# Altium PCB PCB2.PcbDoc (part 3 of 3)
Units mm, origin at the board's own origin, x right, y up, seen from the top; angles counter-clockwise.
Board outline 800 x 450.44 mm, 3 copper layers (Top Layer, Y1, Bottom Layer), stack 0.488 mm thick; 810 components, 801 nets, 2040 pads, 600 vias.
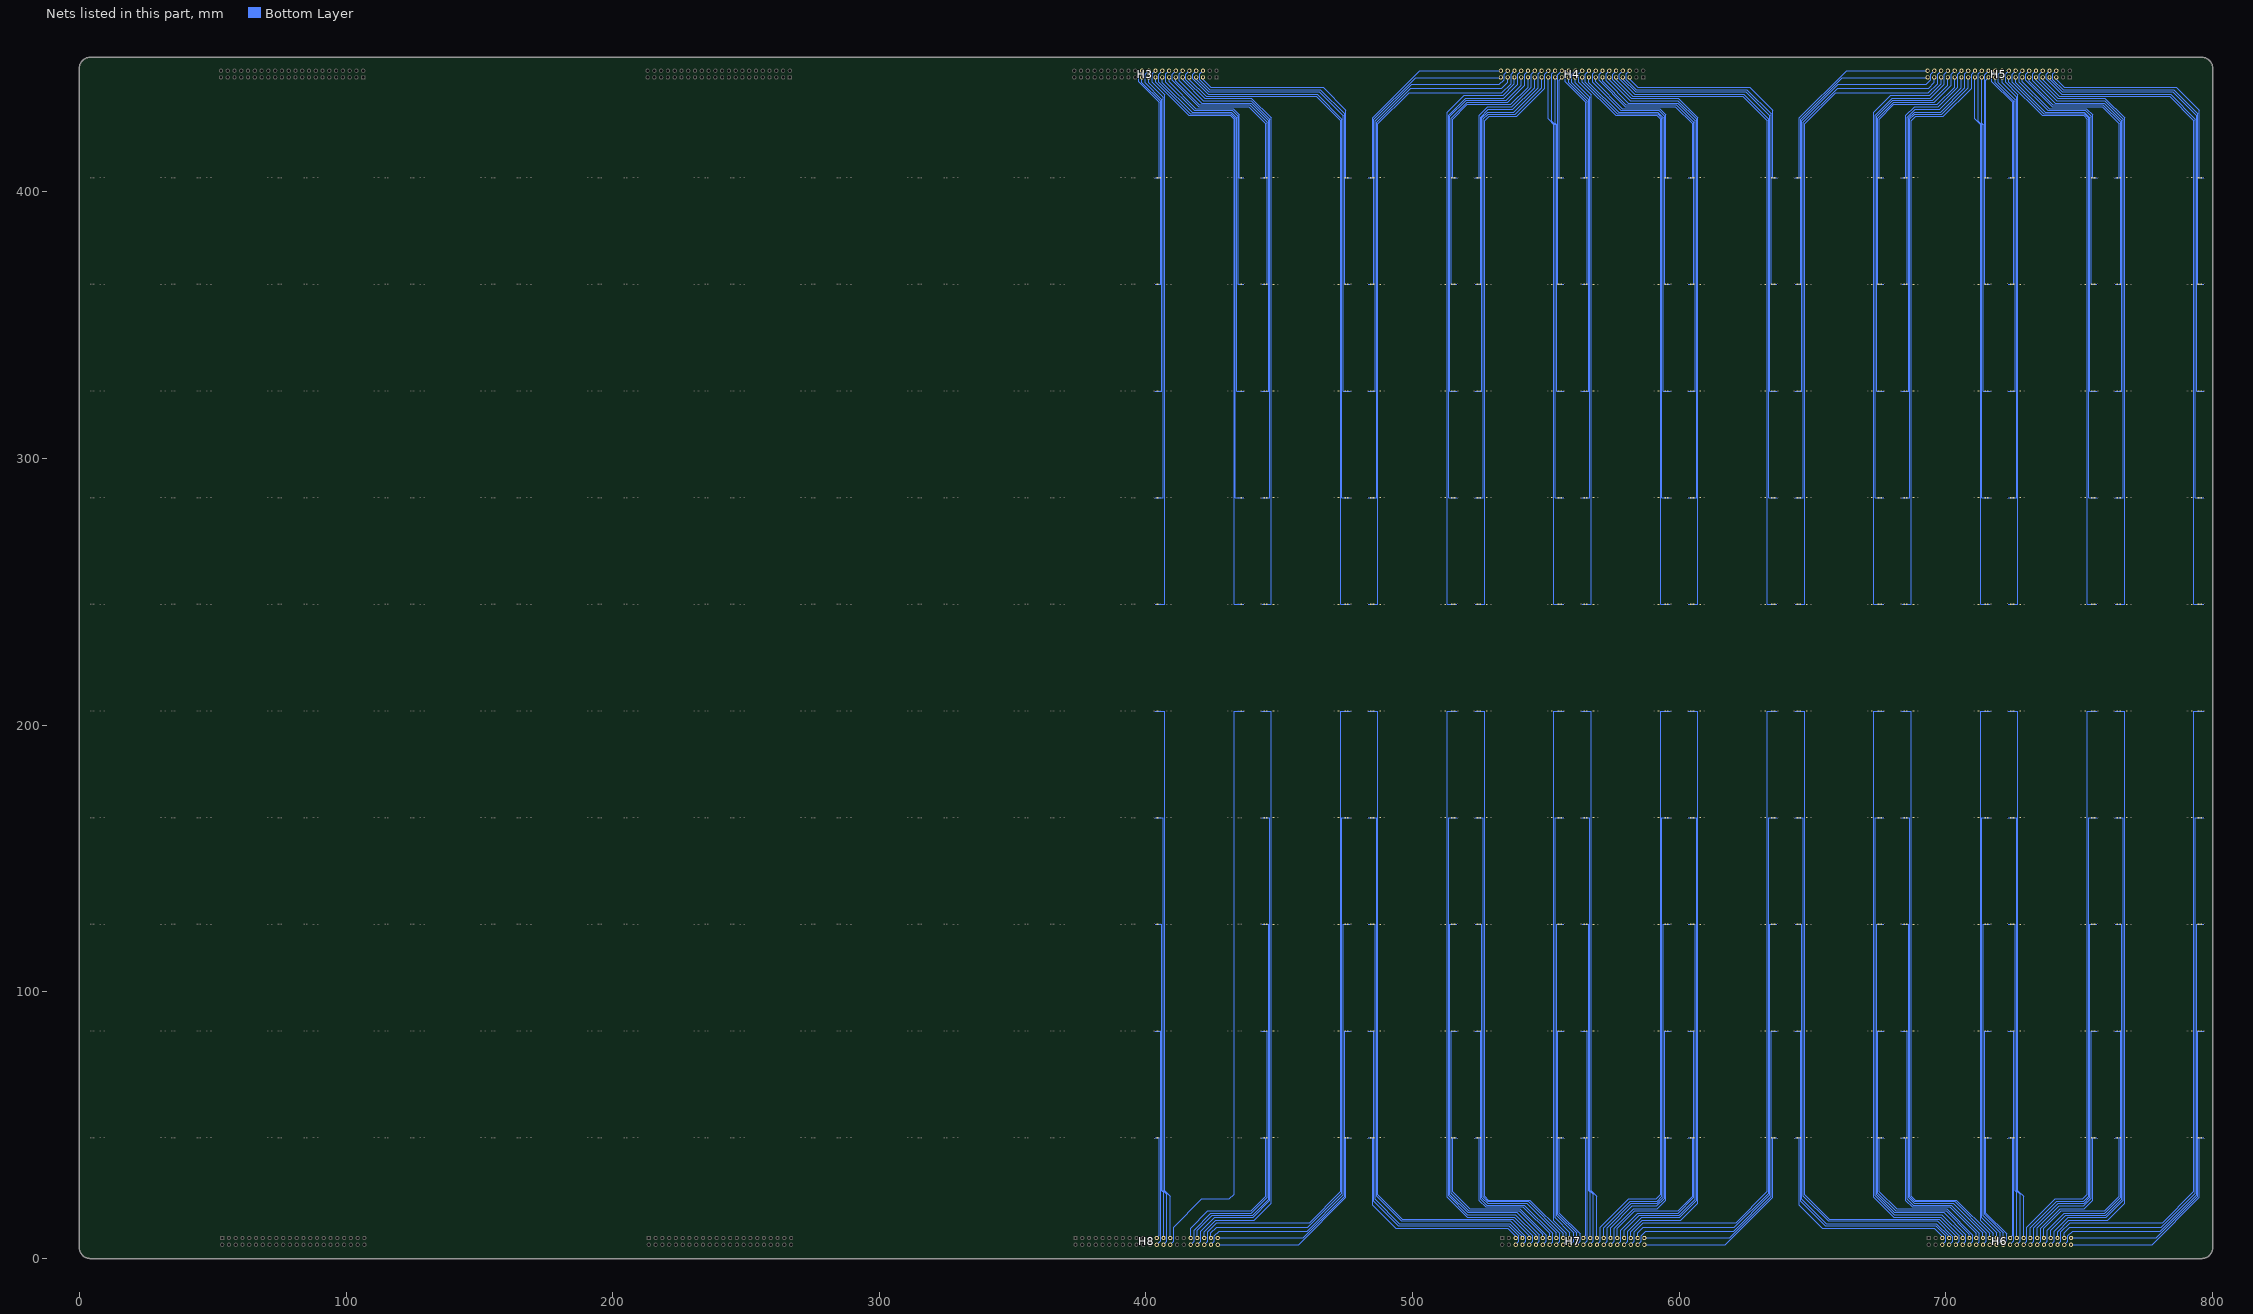
[diagram p4: the nets of this part, all layers, seen from the top]

## Via types
v1: diameter 0.5, hole 0.3, Top Layer to Bottom Layer, tented both sides, 600 vias

## Nets (pads, with @x,y where several pads share a name; then routed paths per layer and width w, separated by ;. In a path a pad name is that pad's centre, name@x,y a point inside that pad or via, vN(x,y) a via of type N, cw(c..) or ccw(c..) an arc to the next point about the centre after c; other vN are vias at no path point) (continued)
NewNet424: H8.30 L16_10.1 | length 220
  Bottom Layer w0.2: H8.30@409.12,5.168 410.377,6.426 410.377,11.704 420.994,22.321 431.307,22.321 433.001,24.015 433.001,205.308 v1(436.9,205.308)
NewNet425: H3.19 L15_10.1 | length 222.8
  Bottom Layer w0.2: H3.19@403.58,442.908 403.58,441.185 416.089,428.676 431.583,428.676 433.001,427.258 433.001,245.308 v1(436.9,245.308)
NewNet426: H3.18 L14_10.1 | length 184.8
  Bottom Layer w0.2: H3.18@406.12,445.448 404.812,444.14 404.812,441.071 416.673,429.209 431.837,429.209 433.501,427.545 433.501,285.308 v1(436.9,285.308)
NewNet427: H3.17 L13_10.1 | length 140.6
  Bottom Layer w0.2: H3.17@406.12,442.908 406.12,441.007 417.258,429.87 431.913,429.87 434.001,427.782 434.001,325.308 v1(436.9,325.308)
NewNet428: H3.16 L12_10.1 | length 102.5
  Bottom Layer w0.2: H3.16@408.66,445.448 407.453,444.241 407.453,441.198 418.096,430.555 432.269,430.555 434.501,428.323 434.501,365.308 v1(436.9,365.308)
NewNet429: H3.15 L11_10.1 | length 58.6
  Bottom Layer w0.2: H3.15@408.66,442.908 408.66,441.211 418.655,431.216 432.65,431.216 435.001,428.865 435.001,405.308 v1(436.9,405.308)
NewNet430: H8.25 L10_10.1 | length 39.9
  Bottom Layer w0.2: v1(403.1,45.308) 404.999,45.308 404.999,8.667 H8.25@404.04,7.708
NewNet431: H8.26 L9_10.1 | length 83.1
  Bottom Layer w0.2: v1(403.1,85.308) 405.499,85.308 405.499,6.627 H8.26@404.04,5.168
NewNet432: H8.27 L8_10.1 | length 120.7
  Bottom Layer w0.2: v1(403.1,125.308) 405.999,125.308 405.999,25.385 406.58,24.804 H8.27@406.58,7.708
NewNet433: H8.28 L7_10.1 | length 164.6
  Bottom Layer w0.2: v1(403.1,165.308) 406.499,165.308 406.499,25.385 407.812,24.072 407.812,6.4 H8.28@406.58,5.168
NewNet434: H8.29 L6_10.1 | length 202.4
  Bottom Layer w0.2: v1(403.1,205.308) 406.999,205.308 406.999,25.385 409.12,23.264 H8.29@409.12,7.708
NewNet435: H3.20 L5_10.1 | length 206.5
  Bottom Layer w0.2: v1(403.1,245.308) 406.999,245.308 406.999,436.471 402.348,441.122 402.348,444.216 H3.20@403.58,445.448
NewNet436: H3.21 L4_10.1 | length 163.3
  Bottom Layer w0.2: H3.21@401.04,442.908 401.04,440.88 406.499,435.422 406.499,285.308 v1(403.1,285.308)
NewNet437: H3.22 L3_10.1 | length 126.2
  Bottom Layer w0.2: H3.22@401.04,445.448 399.681,444.089 399.681,440.893 405.999,434.575 405.999,325.308 v1(403.1,325.308)
NewNet438: H3.23 L2_10.1 | length 82.9
  Bottom Layer w0.2: H3.23@398.5,442.908 398.5,440.982 405.499,433.983 405.499,365.308 v1(403.1,365.308)
NewNet439: H3.24 L1_10.1 | length 45.8
  Bottom Layer w0.2: H3.24@398.5,445.448 397.242,444.19 397.242,441.35 404.999,433.594 404.999,405.308 v1(403.1,405.308)
NewNet440: D1_10.2 L1_10.2
NewNet441: D20_11.2 L20_11.2
NewNet442: D19_11.2 L19_11.2
NewNet443: D18_11.2 L18_11.2
NewNet444: D17_11.2 L17_11.2
NewNet445: D16_11.2 L16_11.2
NewNet446: D15_11.2 L15_11.2
NewNet447: D14_11.2 L14_11.2
NewNet448: D13_11.2 L13_11.2
NewNet449: D12_11.2 L12_11.2
NewNet450: D11_11.2 L11_11.2
NewNet451: D10_11.2 L10_11.2
NewNet452: D9_11.2 L9_11.2
NewNet453: D8_11.2 L8_11.2
NewNet454: D7_11.2 L7_11.2
NewNet455: D6_11.2 L6_11.2
NewNet456: D5_11.2 L5_11.2
NewNet457: D4_11.2 L4_11.2
NewNet458: D3_11.2 L3_11.2
NewNet459: D2_11.2 L2_11.2
NewNet460: H8.44 L20_11.1 | length 79.7
  Bottom Layer w0.2: H8.44@426.9,5.168 457.26,5.168 475.001,22.909 475.001,45.308 v1(476.9,45.308)
NewNet461: H8.43 L19_11.1 | length 118.4
  Bottom Layer w0.2: H8.43@426.9,7.708 427,7.808 458.9,7.808 474.501,23.409 474.501,85.308 v1(476.9,85.308)
NewNet462: H8.42 L18_11.1 | length 162.9
  Bottom Layer w0.2: H8.42@424.36,5.168 425.643,6.451 425.643,8.478 427.473,10.308 460.4,10.308 474.001,23.909 474.001,125.308 v1(476.9,125.308)
NewNet463: H8.41 L17_11.1 | length 201.4
  Bottom Layer w0.2: H8.41@424.36,7.708 424.36,9.583 426.506,11.729 460.669,11.729 473.501,24.561 473.501,165.308 v1(476.9,165.308)
NewNet464: H8.40 L16_11.1 | length 245.6
  Bottom Layer w0.2: H8.40@421.82,5.168 423.077,6.426 423.077,10.002 426.557,13.482 461.33,13.482 473.001,25.153 473.001,205.308 v1(476.9,205.308)
NewNet465: H3.9 L15_11.1 | length 249.2
  Bottom Layer w0.2: H3.9@416.28,442.908 416.28,442.125 422.515,435.889 463.867,435.889 473.001,426.755 473.001,245.308 v1(476.9,245.308)
NewNet466: H3.8 L14_11.1 | length 211.2
  Bottom Layer w0.2: H3.8@418.82,445.448 417.512,444.14 417.512,442.366 423.354,436.524 464.197,436.524 473.501,427.22 473.501,285.308 v1(476.9,285.308)
NewNet467: H3.7 L13_11.1 | length 167.6
  Bottom Layer w0.2: H3.7@418.82,442.908 418.82,442.252 423.582,437.49 464.984,437.49 474.001,428.473 474.001,325.308 v1(476.9,325.308)
NewNet468: H3.6 L12_11.1 | length 129.9
  Bottom Layer w0.2: H3.6@421.36,445.448 420.128,444.216 420.128,442.138 423.912,438.353 465.365,438.353 474.501,429.217 474.501,365.308 v1(476.9,365.308)
NewNet469: H3.5 L11_11.1 | length 86.3
  Bottom Layer w0.2: H3.5@421.36,442.908 421.36,442.201 424.37,439.191 466.407,439.191 475.001,430.597 475.001,405.308 v1(476.9,405.308)
NewNet470: H8.35 L10_11.1 | length 60.8
  Bottom Layer w0.2: H8.35@416.74,7.708 416.74,11.386 423.204,17.851 439.511,17.851 444.999,23.338 444.999,45.308 v1(443.1,45.308)
NewNet471: H8.36 L9_11.1 | length 103.3
  Bottom Layer w0.2: H8.36@416.74,5.168 418.023,6.451 418.023,10.688 424.347,17.013 439.511,17.013 445.499,23 445.499,85.308 v1(443.1,85.308)
NewNet472: H8.37 L8_11.1 | length 140.4
  Bottom Layer w0.2: H8.37@419.28,7.708 419.28,10.599 424.881,16.2 439.943,16.2 445.999,22.256 445.999,125.308 v1(443.1,125.308)
NewNet473: H8.38 L7_11.1 | length 183.2
  Bottom Layer w0.2: H8.38@419.28,5.168 420.613,6.502 420.613,10.307 425.82,15.514 440.146,15.514 446.499,21.867 446.499,165.308 v1(443.1,165.308)
NewNet474: H8.39 L6_11.1 | length 220.4
  Bottom Layer w0.2: H8.39@421.82,7.708 421.82,10.116 426.1,14.396 440.629,14.396 446.999,20.766 446.999,205.308 v1(443.1,205.308)
NewNet475: H3.10 L5_11.1 | length 228.1
  Bottom Layer w0.2: H3.10@416.28,445.448 414.997,444.165 414.997,442.138 421.982,435.153 439.559,435.153 446.999,427.713 446.999,245.308 v1(443.1,245.308)
NewNet476: H3.11 L4_11.1 | length 185.1
  Bottom Layer w0.2: H3.11@413.74,442.908 413.74,441.973 421.525,434.188 439.457,434.188 446.499,427.146 446.499,285.308 v1(443.1,285.308)
NewNet477: H3.12 L3_11.1 | length 148.3
  Bottom Layer w0.2: H3.12@413.74,445.448 412.508,444.216 412.508,441.731 420.915,433.324 439.406,433.324 445.999,426.732 445.999,325.308 v1(443.1,325.308)
NewNet478: H3.13 L2_11.1 | length 105.3
  Bottom Layer w0.2: H3.13@411.2,442.908 411.2,441.515 419.975,432.74 438.873,432.74 445.499,426.114 445.499,365.308 v1(443.1,365.308)
NewNet479: H3.14 L1_11.1 | length 68.1
  Bottom Layer w0.2: H3.14@411.2,445.448 409.917,444.165 409.917,441.884 419.798,432.003 438.517,432.003 444.999,425.522 444.999,405.308 v1(443.1,405.308)
NewNet480: D1_11.2 L1_11.2
NewNet481: D20_12.2 L20_12.2
NewNet482: D19_12.2 L19_12.2
NewNet483: D18_12.2 L18_12.2
NewNet484: D17_12.2 L17_12.2
NewNet485: D16_12.2 L16_12.2
NewNet486: D15_12.2 L15_12.2
NewNet487: D14_12.2 L14_12.2
NewNet488: D13_12.2 L13_12.2
NewNet489: D12_12.2 L12_12.2
NewNet490: D11_12.2 L11_12.2
NewNet491: D10_12.2 L10_12.2
NewNet492: D9_12.2 L9_12.2
NewNet493: D8_12.2 L8_12.2
NewNet494: D7_12.2 L7_12.2
NewNet495: D6_12.2 L6_12.2
NewNet496: D5_12.2 L5_12.2
NewNet497: D4_12.2 L4_12.2
NewNet498: D3_12.2 L3_12.2
NewNet499: D2_12.2 L2_12.2
NewNet500: H7.14 L20_12.1 | length 68.1
  Bottom Layer w0.2: v1(516.9,45.308) 515.001,45.308 515.001,25.094 521.482,18.613 540.202,18.613 550.083,8.732 550.083,6.451 H7.14@548.8,5.168
NewNet501: H7.13 L19_12.1 | length 105.3
  Bottom Layer w0.2: v1(516.9,85.308) 514.501,85.308 514.501,24.502 521.127,17.876 540.024,17.876 548.8,9.101 H7.13@548.8,7.708
NewNet502: H7.12 L18_12.1 | length 148.3
  Bottom Layer w0.2: v1(516.9,125.308) 514.001,125.308 514.001,23.884 520.593,17.292 539.084,17.292 547.492,8.885 547.492,6.4 H7.12@546.26,5.168
NewNet503: H7.11 L17_12.1 | length 185.1
  Bottom Layer w0.2: v1(516.9,165.308) 513.501,165.308 513.501,23.47 520.542,16.428 538.475,16.428 546.26,8.643 H7.11@546.26,7.708
NewNet504: H7.10 L16_12.1 | length 228.1
  Bottom Layer w0.2: v1(516.9,205.308) 513.001,205.308 513.001,22.903 520.441,15.463 538.018,15.463 545.003,8.478 545.003,6.451 H7.10@543.72,5.168
NewNet505: H4.39 L15_12.1 | length 220.4
  Bottom Layer w0.2: v1(516.9,245.308) 513.001,245.308 513.001,429.85 519.371,436.22 533.9,436.22 538.18,440.5 H4.39@538.18,442.908
NewNet506: H4.38 L14_12.1 | length 183.2
  Bottom Layer w0.2: v1(516.9,285.308) 513.501,285.308 513.501,428.749 519.854,435.102 534.179,435.102 539.386,440.309 539.386,444.114 H4.38@540.72,445.448
NewNet507: H4.37 L13_12.1 | length 140.4
  Bottom Layer w0.2: v1(516.9,325.308) 514.001,325.308 514.001,428.36 520.057,434.416 535.119,434.416 540.72,440.017 H4.37@540.72,442.908
NewNet508: H4.36 L12_12.1 | length 103.3
  Bottom Layer w0.2: v1(516.9,365.308) 514.501,365.308 514.501,427.616 520.489,433.603 535.652,433.603 541.977,439.928 541.977,444.165 H4.36@543.26,445.448
NewNet509: H4.35 L11_12.1 | length 60.8
  Bottom Layer w0.2: v1(516.9,405.308) 515.001,405.308 515.001,427.278 520.489,432.765 536.795,432.765 543.26,439.23 H4.35@543.26,442.908
NewNet510: H7.5 L10_12.1 | length 86.3
  Bottom Layer w0.2: v1(483.1,45.308) 484.999,45.308 484.999,20.019 493.593,11.425 535.63,11.425 538.64,8.415 H7.5@538.64,7.708
NewNet511: H7.6 L9_12.1 | length 129.9
  Bottom Layer w0.2: v1(483.1,85.308) 485.499,85.308 485.499,21.399 494.634,12.263 536.087,12.263 539.872,8.478 539.872,6.4 H7.6@538.64,5.168
NewNet512: H7.7 L8_12.1 | length 167.6
  Bottom Layer w0.2: v1(483.1,125.308) 485.999,125.308 485.999,25.384 485.999,22.143 495.015,13.126 536.417,13.126 541.18,8.364 H7.7@541.18,7.708
NewNet513: H7.8 L7_12.1 | length 211.2
  Bottom Layer w0.2: v1(483.1,165.308) 486.499,165.308 486.499,23.396 495.803,14.092 536.646,14.092 542.488,8.25 542.488,6.476 H7.8@541.18,5.168
NewNet514: H7.9 L6_12.1 | length 249.2
  Bottom Layer w0.2: v1(483.1,205.308) 486.999,205.308 486.999,25.384 486.999,23.861 496.133,14.727 537.484,14.727 543.72,8.491 H7.9@543.72,7.708
NewNet515: H4.40 L5_12.1 | length 245.6
  Bottom Layer w0.2: v1(483.1,245.308) 486.999,245.308 486.999,425.463 498.67,437.134 533.443,437.134 536.922,440.614 536.922,444.19 H4.40@538.18,445.448
NewNet516: H4.41 L4_12.1 | length 201.4
  Bottom Layer w0.2: v1(483.1,285.308) 486.499,285.308 486.499,426.055 499.33,438.887 533.493,438.887 535.64,441.033 H4.41@535.64,442.908
NewNet517: H4.42 L3_12.1 | length 162.9
  Bottom Layer w0.2: v1(483.1,325.308) 485.999,325.308 485.999,426.707 499.6,440.308 532.527,440.308 534.357,442.138 534.357,444.165 H4.42@535.64,445.448
NewNet518: H4.43 L2_12.1 | length 118.4
  Bottom Layer w0.2: v1(483.1,365.308) 485.499,365.308 485.499,427.207 501.1,442.808 533,442.808 H4.43@533.1,442.908
NewNet519: H4.44 L1_12.1 | length 79.7
  Bottom Layer w0.2: v1(483.1,405.308) 484.999,405.308 484.999,427.707 502.74,445.448 H4.44@533.1,445.448
NewNet520: D1_12.2 L1_12.2
NewNet521: D20_13.2 L20_13.2
NewNet522: D19_13.2 L19_13.2
NewNet523: D18_13.2 L18_13.2
NewNet524: D17_13.2 L17_13.2
NewNet525: D16_13.2 L16_13.2
NewNet526: D15_13.2 L15_13.2
NewNet527: D14_13.2 L14_13.2
NewNet528: D13_13.2 L13_13.2
NewNet529: D12_13.2 L12_13.2
NewNet530: D11_13.2 L11_13.2
NewNet531: D10_13.2 L10_13.2
NewNet532: D9_13.2 L9_13.2
NewNet533: D8_13.2 L8_13.2
NewNet534: D7_13.2 L7_13.2
NewNet535: D6_13.2 L6_13.2
NewNet536: D5_13.2 L5_13.2
NewNet537: D4_13.2 L4_13.2
NewNet538: D3_13.2 L3_13.2
NewNet539: D2_13.2 L2_13.2
NewNet540: H7.24 L20_13.1 | length 45.8
  Bottom Layer w0.2: v1(556.9,45.308) 555.001,45.308 555.001,17.022 562.757,9.266 562.757,6.426 H7.24@561.5,5.168
NewNet541: H7.23 L19_13.1 | length 82.9
  Bottom Layer w0.2: v1(556.9,85.308) 554.501,85.308 554.501,16.633 561.5,9.634 H7.23@561.5,7.708
NewNet542: H7.22 L18_13.1 | length 126.2
  Bottom Layer w0.2: v1(556.9,125.308) 554.001,125.308 554.001,16.041 560.319,9.723 560.319,6.527 H7.22@558.96,5.168
NewNet543: H7.21 L17_13.1 | length 163.3
  Bottom Layer w0.2: v1(556.9,165.308) 553.501,165.308 553.501,15.194 558.96,9.736 H7.21@558.96,7.708
NewNet544: H7.20 L16_13.1 | length 206.5
  Bottom Layer w0.2: H7.20@556.42,5.168 557.652,6.4 557.652,9.494 553.001,14.145 553.001,205.308 v1(556.9,205.308)
NewNet545: H4.29 L15_13.1 | length 202.4
  Bottom Layer w0.2: H4.29@550.88,442.908 550.88,427.352 553.001,425.231 553.001,245.308 v1(556.9,245.308)
NewNet546: H4.28 L14_13.1 | length 164.6
  Bottom Layer w0.2: H4.28@553.42,445.448 552.188,444.216 552.188,426.544 553.501,425.231 553.501,285.308 v1(556.9,285.308)
NewNet547: H4.27 L13_13.1 | length 120.7
  Bottom Layer w0.2: H4.27@553.42,442.908 553.42,425.812 554.001,425.231 554.001,325.308 v1(556.9,325.308)
NewNet548: H4.26 L12_13.1 | length 83.1
  Bottom Layer w0.2: H4.26@555.96,445.448 554.501,443.989 554.501,365.308 v1(556.9,365.308)
NewNet549: H4.25 L11_13.1 | length 39.9
  Bottom Layer w0.2: H4.25@555.96,442.908 555.001,441.949 555.001,405.308 v1(556.9,405.308)
NewNet550: H7.15 L10_13.1 | length 58.6
  Bottom Layer w0.2: v1(523.1,45.308) 524.999,45.308 524.999,25.384 524.999,21.751 527.35,19.4 541.345,19.4 551.34,9.405 H7.15@551.34,7.708
NewNet551: H7.16 L9_13.1 | length 102.5
  Bottom Layer w0.2: v1(523.1,85.308) 525.499,85.308 525.499,22.293 527.731,20.061 541.904,20.061 552.546,9.418 552.546,6.375 H7.16@551.34,5.168
NewNet552: H7.17 L8_13.1 | length 140.6
  Bottom Layer w0.2: v1(523.1,125.308) 525.999,125.308 525.999,22.834 528.086,20.746 542.742,20.746 553.88,9.609 H7.17@553.88,7.708
NewNet553: H7.18 L7_13.1 | length 184.8
  Bottom Layer w0.2: v1(523.1,165.308) 526.499,165.308 526.499,23.071 528.162,21.407 543.326,21.407 555.188,9.545 555.188,6.476 H7.18@553.88,5.168
NewNet554: H7.19 L6_13.1 | length 222.8
  Bottom Layer w0.2: v1(523.1,205.308) 526.999,205.308 526.999,25.384 526.999,23.358 528.416,21.94 543.91,21.94 556.42,9.431 H7.19@556.42,7.708
NewNet555: H4.30 L5_13.1 | length 220
  Bottom Layer w0.2: v1(523.1,245.308) 526.999,245.308 526.999,426.601 528.693,428.295 539.005,428.295 549.622,438.912 549.622,444.19 H4.30@550.88,445.448
NewNet556: H4.31 L4_13.1 | length 176
  Bottom Layer w0.2: v1(523.1,285.308) 526.499,285.308 526.499,427.345 528.337,429.184 538.472,429.184 548.34,439.052 H4.31@548.34,442.908
NewNet557: H4.32 L3_13.1 | length 138
  Bottom Layer w0.2: v1(523.1,325.308) 525.999,325.308 525.999,427.709 528.21,429.92 537.964,429.92 547.108,439.064 547.108,444.216 H4.32@548.34,445.448
NewNet558: H4.33 L2_13.1 | length 93.8
  Bottom Layer w0.2: v1(523.1,365.308) 525.499,365.308 525.499,425.232 525.499,428.022 528.388,430.911 537.583,430.911 545.8,439.128 H4.33@545.8,442.908
NewNet559: H4.34 L1_13.1 | length 55.9
  Bottom Layer w0.2: v1(523.1,405.308) 524.999,405.308 524.999,428.69 528.21,431.902 537.1,431.902 544.492,439.293 544.492,444.14 H4.34@545.8,445.448
NewNet560: D1_13.2 L1_13.2
NewNet561: D20_14.2 L20_14.2
NewNet562: D19_14.2 L19_14.2
NewNet563: D18_14.2 L18_14.2
NewNet564: D17_14.2 L17_14.2
NewNet565: D16_14.2 L16_14.2
NewNet566: D15_14.2 L15_14.2
NewNet567: D14_14.2 L14_14.2
NewNet568: D13_14.2 L13_14.2
NewNet569: D12_14.2 L12_14.2
NewNet570: D11_14.2 L11_14.2
NewNet571: D10_14.2 L10_14.2
NewNet572: D9_14.2 L9_14.2
NewNet573: D8_14.2 L8_14.2
NewNet574: D7_14.2 L7_14.2
NewNet575: D6_14.2 L6_14.2
NewNet576: D5_14.2 L5_14.2
NewNet577: D4_14.2 L4_14.2
NewNet578: D3_14.2 L3_14.2
NewNet579: D2_14.2 L2_14.2
NewNet580: H7.34 L20_14.1 | length 55.9
  Bottom Layer w0.2: H7.34@574.2,5.168 575.508,6.476 575.508,11.323 582.899,18.714 591.789,18.714 595.001,21.926 595.001,45.308 v1(596.9,45.308)
NewNet581: H7.33 L19_14.1 | length 93.8
  Bottom Layer w0.2: H7.33@574.2,7.708 574.2,11.488 582.417,19.705 591.612,19.705 594.501,22.594 594.501,85.308 v1(596.9,85.308)
NewNet582: H7.32 L18_14.1 | length 138
  Bottom Layer w0.2: H7.32@571.66,5.168 572.892,6.4 572.892,11.552 582.036,20.696 591.789,20.696 594.001,22.907 594.001,125.308 v1(596.9,125.308)
NewNet583: H7.31 L17_14.1 | length 176
  Bottom Layer w0.2: H7.31@571.66,7.708 571.66,11.564 581.528,21.432 591.662,21.432 593.501,23.271 593.501,165.308 v1(596.9,165.308)
NewNet584: H7.30 L16_14.1 | length 220
  Bottom Layer w0.2: H7.30@569.12,5.168 570.377,6.426 570.377,11.704 580.994,22.321 591.307,22.321 593.001,24.015 593.001,205.308 v1(596.9,205.308)
NewNet585: H4.19 L15_14.1 | length 222.8
  Bottom Layer w0.2: H4.19@563.58,442.908 563.58,441.185 576.089,428.676 591.583,428.676 593.001,427.258 593.001,245.308 v1(596.9,245.308)
NewNet586: H4.18 L14_14.1 | length 184.8
  Bottom Layer w0.2: H4.18@566.12,445.448 564.812,444.14 564.812,441.071 576.673,429.209 591.837,429.209 593.501,427.545 593.501,285.308 v1(596.9,285.308)
NewNet587: H4.17 L13_14.1 | length 140.6
  Bottom Layer w0.2: H4.17@566.12,442.908 566.12,441.007 577.258,429.87 591.913,429.87 594.001,427.782 594.001,325.308 v1(596.9,325.308)
NewNet588: H4.16 L12_14.1 | length 102.5
  Bottom Layer w0.2: H4.16@568.66,445.448 567.453,444.241 567.453,441.198 578.096,430.555 592.269,430.555 594.501,428.323 594.501,365.308 v1(596.9,365.308)
NewNet589: H4.15 L11_14.1 | length 58.6
  Bottom Layer w0.2: H4.15@568.66,442.908 568.66,441.211 578.655,431.216 592.65,431.216 595.001,428.865 595.001,405.308 v1(596.9,405.308)
NewNet590: H7.25 L10_14.1 | length 39.9
  Bottom Layer w0.2: v1(563.1,45.308) 564.999,45.308 564.999,8.667 H7.25@564.04,7.708
NewNet591: H7.26 L9_14.1 | length 83.1
  Bottom Layer w0.2: v1(563.1,85.308) 565.499,85.308 565.499,6.627 H7.26@564.04,5.168
NewNet592: H7.27 L8_14.1 | length 120.7
  Bottom Layer w0.2: v1(563.1,125.308) 565.999,125.308 565.999,25.385 566.58,24.804 H7.27@566.58,7.708
NewNet593: H7.28 L7_14.1 | length 164.6
  Bottom Layer w0.2: v1(563.1,165.308) 566.499,165.308 566.499,25.385 567.812,24.072 567.812,6.4 H7.28@566.58,5.168
NewNet594: H7.29 L6_14.1 | length 202.4
  Bottom Layer w0.2: v1(563.1,205.308) 566.999,205.308 566.999,25.385 569.12,23.264 H7.29@569.12,7.708
NewNet595: H4.20 L5_14.1 | length 206.5
  Bottom Layer w0.2: v1(563.1,245.308) 566.999,245.308 566.999,436.471 562.348,441.122 562.348,444.216 H4.20@563.58,445.448
NewNet596: H4.21 L4_14.1 | length 163.3
  Bottom Layer w0.2: H4.21@561.04,442.908 561.04,440.88 566.499,435.422 566.499,285.308 v1(563.1,285.308)
NewNet597: H4.22 L3_14.1 | length 126.2
  Bottom Layer w0.2: H4.22@561.04,445.448 559.681,444.089 559.681,440.893 565.999,434.575 565.999,325.308 v1(563.1,325.308)
NewNet598: H4.23 L2_14.1 | length 82.9
  Bottom Layer w0.2: H4.23@558.5,442.908 558.5,440.982 565.499,433.983 565.499,365.308 v1(563.1,365.308)
NewNet599: H4.24 L1_14.1 | length 45.8
  Bottom Layer w0.2: H4.24@558.5,445.448 557.242,444.19 557.242,441.35 564.999,433.594 564.999,405.308 v1(563.1,405.308)
NewNet600: D1_14.2 L1_14.2
NewNet601: D20_15.2 L20_15.2
NewNet602: D19_15.2 L19_15.2
NewNet603: D18_15.2 L18_15.2
NewNet604: D17_15.2 L17_15.2
NewNet605: D16_15.2 L16_15.2
NewNet606: D15_15.2 L15_15.2
NewNet607: D14_15.2 L14_15.2
NewNet608: D13_15.2 L13_15.2
NewNet609: D12_15.2 L12_15.2
NewNet610: D11_15.2 L11_15.2
NewNet611: D10_15.2 L10_15.2
NewNet612: D9_15.2 L9_15.2
NewNet613: D8_15.2 L8_15.2
NewNet614: D7_15.2 L7_15.2
NewNet615: D6_15.2 L6_15.2
NewNet616: D5_15.2 L5_15.2
NewNet617: D4_15.2 L4_15.2
NewNet618: D3_15.2 L3_15.2
NewNet619: D2_15.2 L2_15.2
NewNet620: H7.44 L20_15.1 | length 79.7
  Bottom Layer w0.2: H7.44@586.9,5.168 617.26,5.168 635.001,22.909 635.001,45.308 v1(636.9,45.308)
NewNet621: H7.43 L19_15.1 | length 118.4
  Bottom Layer w0.2: H7.43@586.9,7.708 587,7.808 618.9,7.808 634.501,23.409 634.501,85.308 v1(636.9,85.308)
NewNet622: H7.42 L18_15.1 | length 162.9
  Bottom Layer w0.2: H7.42@584.36,5.168 585.643,6.451 585.643,8.478 587.473,10.308 620.4,10.308 634.001,23.909 634.001,125.308 v1(636.9,125.308)
NewNet623: H7.41 L17_15.1 | length 201.4
  Bottom Layer w0.2: H7.41@584.36,7.708 584.36,9.583 586.506,11.729 620.669,11.729 633.501,24.561 633.501,25.384 633.501,165.308 v1(636.9,165.308)
NewNet624: H7.40 L16_15.1 | length 245.6
  Bottom Layer w0.2: H7.40@581.82,5.168 583.077,6.426 583.077,10.002 586.557,13.482 621.33,13.482 633.001,25.153 633.001,205.308 v1(636.9,205.308)
NewNet625: H4.9 L15_15.1 | length 249.2
  Bottom Layer w0.2: H4.9@576.28,442.908 576.28,442.125 582.515,435.889 623.867,435.889 633.001,426.755 633.001,245.308 v1(636.9,245.308)
NewNet626: H4.8 L14_15.1 | length 211.2
  Bottom Layer w0.2: H4.8@578.82,445.448 577.512,444.14 577.512,442.366 583.354,436.524 624.197,436.524 633.501,427.22 633.501,285.308 v1(636.9,285.308)
NewNet627: H4.7 L13_15.1 | length 167.6
  Bottom Layer w0.2: H4.7@578.82,442.908 578.82,442.252 583.582,437.49 624.984,437.49 634.001,428.473 634.001,325.308 v1(636.9,325.308)
NewNet628: H4.6 L12_15.1 | length 129.9
  Bottom Layer w0.2: H4.6@581.36,445.448 580.128,444.216 580.128,442.138 583.912,438.353 625.365,438.353 634.501,429.217 634.501,365.308 v1(636.9,365.308)
NewNet629: H4.5 L11_15.1 | length 86.3
  Bottom Layer w0.2: H4.5@581.36,442.908 581.36,442.201 584.37,439.191 626.407,439.191 635.001,430.597 635.001,405.308 v1(636.9,405.308)
NewNet630: H7.35 L10_15.1 | length 60.8
  Bottom Layer w0.2: H7.35@576.74,7.708 576.74,11.386 583.204,17.851 599.511,17.851 604.999,23.338 604.999,45.308 v1(603.1,45.308)
NewNet631: H7.36 L9_15.1 | length 103.3
  Bottom Layer w0.2: H7.36@576.74,5.168 578.023,6.451 578.023,10.688 584.347,17.013 599.511,17.013 605.499,23 605.499,85.308 v1(603.1,85.308)
NewNet632: H7.37 L8_15.1 | length 140.4
  Bottom Layer w0.2: H7.37@579.28,7.708 579.28,10.599 584.881,16.2 599.943,16.2 605.999,22.256 605.999,125.308 v1(603.1,125.308)
NewNet633: H7.38 L7_15.1 | length 183.2
  Bottom Layer w0.2: H7.38@579.28,5.168 580.613,6.502 580.613,10.307 585.82,15.514 600.146,15.514 606.499,21.867 606.499,165.308 v1(603.1,165.308)
NewNet634: H7.39 L6_15.1 | length 220.4
  Bottom Layer w0.2: H7.39@581.82,7.708 581.82,10.116 586.1,14.396 600.629,14.396 606.999,20.766 606.999,205.308 v1(603.1,205.308)
NewNet635: H4.10 L5_15.1 | length 228.1
  Bottom Layer w0.2: H4.10@576.28,445.448 574.997,444.165 574.997,442.138 581.982,435.153 599.559,435.153 606.999,427.713 606.999,245.308 v1(603.1,245.308)
NewNet636: H4.11 L4_15.1 | length 185.1
  Bottom Layer w0.2: H4.11@573.74,442.908 573.74,441.973 581.525,434.188 599.457,434.188 606.499,427.146 606.499,285.308 v1(603.1,285.308)
NewNet637: H4.12 L3_15.1 | length 148.3
  Bottom Layer w0.2: H4.12@573.74,445.448 572.508,444.216 572.508,441.731 580.915,433.324 599.406,433.324 605.999,426.732 605.999,325.308 v1(603.1,325.308)
NewNet638: H4.13 L2_15.1 | length 105.3
  Bottom Layer w0.2: H4.13@571.2,442.908 571.2,441.515 579.975,432.74 598.873,432.74 605.499,426.114 605.499,365.308 v1(603.1,365.308)
NewNet639: H4.14 L1_15.1 | length 68.1
  Bottom Layer w0.2: H4.14@571.2,445.448 569.917,444.165 569.917,441.884 579.798,432.003 598.517,432.003 604.999,425.522 604.999,405.308 v1(603.1,405.308)
NewNet640: D1_15.2 L1_15.2
NewNet641: D20_16.2 L20_16.2
NewNet642: D19_16.2 L19_16.2
NewNet643: D18_16.2 L18_16.2
NewNet644: D17_16.2 L17_16.2
NewNet645: D16_16.2 L16_16.2
NewNet646: D15_16.2 L15_16.2
NewNet647: D14_16.2 L14_16.2
NewNet648: D13_16.2 L13_16.2
NewNet649: D12_16.2 L12_16.2
NewNet650: D11_16.2 L11_16.2
NewNet651: D10_16.2 L10_16.2
NewNet652: D9_16.2 L9_16.2
NewNet653: D8_16.2 L8_16.2
NewNet654: D7_16.2 L7_16.2
NewNet655: D6_16.2 L6_16.2
NewNet656: D5_16.2 L5_16.2
NewNet657: D4_16.2 L4_16.2
NewNet658: D3_16.2 L3_16.2
NewNet659: D2_16.2 L2_16.2
NewNet660: H6.14 L20_16.1 | length 68.1
  Bottom Layer w0.2: v1(676.9,45.308) 675.001,45.308 675.001,25.094 681.482,18.613 700.202,18.613 710.083,8.732 710.083,6.451 H6.14@708.8,5.168
NewNet661: H6.13 L19_16.1 | length 105.3
  Bottom Layer w0.2: v1(676.9,85.308) 674.501,85.308 674.501,24.502 681.127,17.876 700.024,17.876 708.8,9.101 H6.13@708.8,7.708
NewNet662: H6.12 L18_16.1 | length 148.3
  Bottom Layer w0.2: v1(676.9,125.308) 674.001,125.308 674.001,23.884 680.593,17.292 699.084,17.292 707.492,8.885 707.492,6.4 H6.12@706.26,5.168
NewNet663: H6.11 L17_16.1 | length 185.1
  Bottom Layer w0.2: v1(676.9,165.308) 673.501,165.308 673.501,23.47 680.542,16.428 698.475,16.428 706.26,8.643 H6.11@706.26,7.708
NewNet664: H6.10 L16_16.1 | length 228.1
  Bottom Layer w0.2: v1(676.9,205.308) 673.001,205.308 673.001,22.903 680.441,15.463 698.018,15.463 705.003,8.478 705.003,6.451 H6.10@703.72,5.168
NewNet665: H5.39 L15_16.1 | length 220.4
  Bottom Layer w0.2: v1(676.9,245.308) 673.001,245.308 673.001,429.85 679.371,436.22 693.9,436.22 698.18,440.5 H5.39@698.18,442.908
NewNet666: H5.38 L14_16.1 | length 183.2
  Bottom Layer w0.2: v1(676.9,285.308) 673.501,285.308 673.501,428.749 679.854,435.102 694.179,435.102 699.386,440.309 699.386,444.114 H5.38@700.72,445.448
NewNet667: H5.37 L13_16.1 | length 140.4
  Bottom Layer w0.2: v1(676.9,325.308) 674.001,325.308 674.001,428.36 680.057,434.416 695.119,434.416 700.72,440.017 H5.37@700.72,442.908
NewNet668: H5.36 L12_16.1 | length 103.3
  Bottom Layer w0.2: v1(676.9,365.308) 674.501,365.308 674.501,427.616 680.489,433.603 695.652,433.603 701.977,439.928 701.977,444.165 H5.36@703.26,445.448
NewNet669: H5.35 L11_16.1 | length 60.8
  Bottom Layer w0.2: v1(676.9,405.308) 675.001,405.308 675.001,427.278 680.489,432.765 696.795,432.765 703.26,439.23 H5.35@703.26,442.908
NewNet670: H6.5 L10_16.1 | length 86.3
  Bottom Layer w0.2: v1(643.1,45.308) 644.999,45.308 644.999,20.019 653.593,11.425 695.63,11.425 698.64,8.415 H6.5@698.64,7.708
NewNet671: H6.6 L9_16.1 | length 129.9
  Bottom Layer w0.2: v1(643.1,85.308) 645.499,85.308 645.499,21.399 654.634,12.263 696.087,12.263 699.872,8.478 699.872,6.4 H6.6@698.64,5.168
NewNet672: H6.7 L8_16.1 | length 167.6
  Bottom Layer w0.2: v1(643.1,125.308) 645.999,125.308 645.999,25.384 645.999,22.143 655.015,13.126 696.417,13.126 701.18,8.364 H6.7@701.18,7.708
NewNet673: H6.8 L7_16.1 | length 211.2
  Bottom Layer w0.2: v1(643.1,165.308) 646.499,165.308 646.499,23.396 655.803,14.092 696.646,14.092 702.488,8.25 702.488,6.476 H6.8@701.18,5.168
NewNet674: H6.9 L6_16.1 | length 249.2
  Bottom Layer w0.2: v1(643.1,205.308) 646.999,205.308 646.999,23.861 656.133,14.727 697.484,14.727 703.72,8.491 H6.9@703.72,7.708
NewNet675: H5.40 L5_16.1 | length 245.6
  Bottom Layer w0.2: v1(643.1,245.308) 646.999,245.308 646.999,425.463 658.67,437.134 693.443,437.134 696.922,440.614 696.922,444.19 H5.40@698.18,445.448
NewNet676: H5.41 L4_16.1 | length 201.4
  Bottom Layer w0.2: v1(643.1,285.308) 646.499,285.308 646.499,426.055 659.33,438.887 693.493,438.887 695.64,441.033 H5.41@695.64,442.908
NewNet677: H5.42 L3_16.1 | length 162.9
  Bottom Layer w0.2: v1(643.1,325.308) 645.999,325.308 645.999,426.707 659.6,440.308 692.527,440.308 694.357,442.138 694.357,444.165 H5.42@695.64,445.448
NewNet678: H5.43 L2_16.1 | length 118.4
  Bottom Layer w0.2: v1(643.1,365.308) 645.499,365.308 645.499,427.207 661.1,442.808 693,442.808 H5.43@693.1,442.908
NewNet679: H5.44 L1_16.1 | length 79.7
  Bottom Layer w0.2: v1(643.1,405.308) 644.999,405.308 644.999,427.707 662.74,445.448 H5.44@693.1,445.448
NewNet680: D1_16.2 L1_16.2
NewNet681: D20_17.2 L20_17.2
NewNet682: D19_17.2 L19_17.2
NewNet683: D18_17.2 L18_17.2
NewNet684: D17_17.2 L17_17.2
NewNet685: D16_17.2 L16_17.2
NewNet686: D15_17.2 L15_17.2
NewNet687: D14_17.2 L14_17.2
NewNet688: D13_17.2 L13_17.2
NewNet689: D12_17.2 L12_17.2
NewNet690: D11_17.2 L11_17.2
NewNet691: D10_17.2 L10_17.2
NewNet692: D9_17.2 L9_17.2
NewNet693: D8_17.2 L8_17.2
NewNet694: D7_17.2 L7_17.2
NewNet695: D6_17.2 L6_17.2
NewNet696: D5_17.2 L5_17.2
NewNet697: D4_17.2 L4_17.2
NewNet698: D3_17.2 L3_17.2
NewNet699: D2_17.2 L2_17.2
NewNet700: H6.24 L20_17.1 | length 45.8
  Bottom Layer w0.2: v1(716.9,45.308) 715.001,45.308 715.001,17.022 722.757,9.266 722.757,6.426 H6.24@721.5,5.168
NewNet701: H6.23 L19_17.1 | length 82.9
  Bottom Layer w0.2: v1(716.9,85.308) 714.501,85.308 714.501,16.633 721.5,9.634 H6.23@721.5,7.708
NewNet702: H6.22 L18_17.1 | length 126.2
  Bottom Layer w0.2: v1(716.9,125.308) 714.001,125.308 714.001,16.041 720.319,9.723 720.319,6.527 H6.22@718.96,5.168
NewNet703: H6.21 L17_17.1 | length 163.3
  Bottom Layer w0.2: v1(716.9,165.308) 713.501,165.308 713.501,15.194 718.96,9.736 H6.21@718.96,7.708
NewNet704: H6.20 L16_17.1 | length 206.5
  Bottom Layer w0.2: H6.20@716.42,5.168 717.652,6.4 717.652,9.494 713.001,14.145 713.001,205.308 v1(716.9,205.308)
NewNet705: H5.29 L15_17.1 | length 202.4
  Bottom Layer w0.2: H5.29@710.88,442.908 710.88,427.352 713.001,425.231 713.001,245.308 v1(716.9,245.308)
NewNet706: H5.28 L14_17.1 | length 164.6
  Bottom Layer w0.2: H5.28@713.42,445.448 712.188,444.216 712.188,426.544 713.501,425.231 713.501,285.308 v1(716.9,285.308)
NewNet707: H5.27 L13_17.1 | length 120.7
  Bottom Layer w0.2: H5.27@713.42,442.908 713.42,425.812 714.001,425.231 714.001,325.308 v1(716.9,325.308)
NewNet708: H5.26 L12_17.1 | length 83.1
  Bottom Layer w0.2: H5.26@715.96,445.448 714.501,443.989 714.501,365.308 v1(716.9,365.308)
NewNet709: H5.25 L11_17.1 | length 39.9
  Bottom Layer w0.2: H5.25@715.96,442.908 715.001,441.949 715.001,405.308 v1(716.9,405.308)
NewNet710: H6.15 L10_17.1 | length 58.6
  Bottom Layer w0.2: v1(683.1,45.308) 684.999,45.308 684.999,21.751 687.35,19.4 701.345,19.4 711.34,9.405 H6.15@711.34,7.708
NewNet711: H6.16 L9_17.1 | length 102.5
  Bottom Layer w0.2: v1(683.1,85.308) 685.499,85.308 685.499,22.293 687.731,20.061 701.904,20.061 712.546,9.418 712.546,6.375 H6.16@711.34,5.168
NewNet712: H6.17 L8_17.1 | length 140.6
  Bottom Layer w0.2: v1(683.1,125.308) 685.999,125.308 685.999,25.384 685.999,22.834 688.086,20.746 702.742,20.746 713.88,9.609 H6.17@713.88,7.708
NewNet713: H6.18 L7_17.1 | length 184.8
  Bottom Layer w0.2: v1(683.1,165.308) 686.499,165.308 686.499,23.071 688.162,21.407 703.326,21.407 715.188,9.545 715.188,6.476 H6.18@713.88,5.168
NewNet714: H6.19 L6_17.1 | length 222.8
  Bottom Layer w0.2: v1(683.1,205.308) 686.999,205.308 686.999,23.358 688.416,21.94 703.91,21.94 716.42,9.431 H6.19@716.42,7.708
NewNet715: H5.30 L5_17.1 | length 220
  Bottom Layer w0.2: v1(683.1,245.308) 686.999,245.308 686.999,426.601 688.693,428.295 699.005,428.295 709.622,438.912 709.622,444.19 H5.30@710.88,445.448
NewNet716: H5.31 L4_17.1 | length 176
  Bottom Layer w0.2: v1(683.1,285.308) 686.499,285.308 686.499,427.345 688.337,429.184 698.472,429.184 708.34,439.052 H5.31@708.34,442.908
NewNet717: H5.32 L3_17.1 | length 138
  Bottom Layer w0.2: v1(683.1,325.308) 685.999,325.308 685.999,427.709 688.21,429.92 697.964,429.92 707.108,439.064 707.108,444.216 H5.32@708.34,445.448
NewNet718: H5.33 L2_17.1 | length 93.8
  Bottom Layer w0.2: v1(683.1,365.308) 685.499,365.308 685.499,425.232 685.499,428.022 688.388,430.911 697.583,430.911 705.8,439.128 H5.33@705.8,442.908
NewNet719: H5.34 L1_17.1 | length 55.9
  Bottom Layer w0.2: v1(683.1,405.308) 684.999,405.308 684.999,428.69 688.21,431.902 697.1,431.902 704.492,439.293 704.492,444.14 H5.34@705.8,445.448
NewNet720: D1_17.2 L1_17.2
NewNet721: D20_18.2 L20_18.2
NewNet722: D19_18.2 L19_18.2
NewNet723: D18_18.2 L18_18.2
NewNet724: D17_18.2 L17_18.2
NewNet725: D16_18.2 L16_18.2
NewNet726: D15_18.2 L15_18.2
NewNet727: D14_18.2 L14_18.2
NewNet728: D13_18.2 L13_18.2
NewNet729: D12_18.2 L12_18.2
NewNet730: D11_18.2 L11_18.2
NewNet731: D10_18.2 L10_18.2
NewNet732: D9_18.2 L9_18.2
NewNet733: D8_18.2 L8_18.2
NewNet734: D7_18.2 L7_18.2
NewNet735: D6_18.2 L6_18.2
NewNet736: D5_18.2 L5_18.2
NewNet737: D4_18.2 L4_18.2
NewNet738: D3_18.2 L3_18.2
NewNet739: D2_18.2 L2_18.2
NewNet740: H6.34 L20_18.1 | length 55.9
  Bottom Layer w0.2: H6.34@734.2,5.168 735.508,6.476 735.508,11.323 742.899,18.714 751.789,18.714 755.001,21.926 755.001,45.308 v1(756.9,45.308)
NewNet741: H6.33 L19_18.1 | length 93.8
  Bottom Layer w0.2: H6.33@734.2,7.708 734.2,11.488 742.417,19.705 751.612,19.705 754.501,22.594 754.501,25.547 754.501,85.308 v1(756.9,85.308)
NewNet742: H6.32 L18_18.1 | length 138
  Bottom Layer w0.2: H6.32@731.66,5.168 732.892,6.4 732.892,11.552 742.036,20.696 751.789,20.696 754.001,22.907 754.001,125.308 v1(756.9,125.308)
NewNet743: H6.31 L17_18.1 | length 176
  Bottom Layer w0.2: H6.31@731.66,7.708 731.66,11.564 741.528,21.432 751.662,21.432 753.501,23.271 753.501,165.308 v1(756.9,165.308)
NewNet744: H6.30 L16_18.1 | length 220
  Bottom Layer w0.2: H6.30@729.12,5.168 730.377,6.426 730.377,11.704 740.994,22.321 751.307,22.321 753.001,24.015 753.001,205.308 v1(756.9,205.308)
NewNet745: H5.19 L15_18.1 | length 222.8
  Bottom Layer w0.2: H5.19@723.58,442.908 723.58,441.185 736.089,428.676 751.583,428.676 753.001,427.258 753.001,245.308 v1(756.9,245.308)
NewNet746: H5.18 L14_18.1 | length 184.8
  Bottom Layer w0.2: H5.18@726.12,445.448 724.812,444.14 724.812,441.071 736.673,429.209 751.837,429.209 753.501,427.545 753.501,285.308 v1(756.9,285.308)
NewNet747: H5.17 L13_18.1 | length 140.6
  Bottom Layer w0.2: H5.17@726.12,442.908 726.12,441.007 737.258,429.87 751.913,429.87 754.001,427.782 754.001,325.308 v1(756.9,325.308)
NewNet748: H5.16 L12_18.1 | length 102.5
  Bottom Layer w0.2: H5.16@728.66,445.448 727.453,444.241 727.453,441.198 738.096,430.555 752.269,430.555 754.501,428.323 754.501,365.308 v1(756.9,365.308)
NewNet749: H5.15 L11_18.1 | length 58.6
  Bottom Layer w0.2: H5.15@728.66,442.908 728.66,441.211 738.655,431.216 752.65,431.216 755.001,428.865 755.001,405.308 v1(756.9,405.308)
NewNet750: H6.25 L10_18.1 | length 39.9
  Bottom Layer w0.2: v1(723.1,45.308) 724.999,45.308 724.999,8.667 H6.25@724.04,7.708
NewNet751: H6.26 L9_18.1 | length 83.1
  Bottom Layer w0.2: v1(723.1,85.308) 725.499,85.308 725.499,6.627 H6.26@724.04,5.168
NewNet752: H6.27 L8_18.1 | length 120.7
  Bottom Layer w0.2: v1(723.1,125.308) 725.999,125.308 725.999,25.385 726.58,24.804 H6.27@726.58,7.708
NewNet753: H6.28 L7_18.1 | length 164.6
  Bottom Layer w0.2: v1(723.1,165.308) 726.499,165.308 726.499,25.385 727.812,24.072 727.812,6.4 H6.28@726.58,5.168
NewNet754: H6.29 L6_18.1 | length 202.4
  Bottom Layer w0.2: v1(723.1,205.308) 726.999,205.308 726.999,25.385 729.12,23.264 H6.29@729.12,7.708
NewNet755: H5.20 L5_18.1 | length 206.5
  Bottom Layer w0.2: v1(723.1,245.308) 726.999,245.308 726.999,436.471 722.348,441.122 722.348,444.216 H5.20@723.58,445.448
NewNet756: H5.21 L4_18.1 | length 163.3
  Bottom Layer w0.2: H5.21@721.04,442.908 721.04,440.88 726.499,435.422 726.499,285.308 v1(723.1,285.308)
NewNet757: H5.22 L3_18.1 | length 126.2
  Bottom Layer w0.2: H5.22@721.04,445.448 719.681,444.089 719.681,440.893 725.999,434.575 725.999,325.308 v1(723.1,325.308)
NewNet758: H5.23 L2_18.1 | length 82.9
  Bottom Layer w0.2: H5.23@718.5,442.908 718.5,440.982 725.499,433.983 725.499,365.308 v1(723.1,365.308)
NewNet759: H5.24 L1_18.1 | length 45.8
  Bottom Layer w0.2: H5.24@718.5,445.448 717.242,444.19 717.242,441.35 724.999,433.594 724.999,405.308 v1(723.1,405.308)
NewNet760: D1_18.2 L1_18.2
NewNet761: D20_19.2 L20_19.2
NewNet762: D19_19.2 L19_19.2
NewNet763: D18_19.2 L18_19.2
NewNet764: D17_19.2 L17_19.2
NewNet765: D16_19.2 L16_19.2
NewNet766: D15_19.2 L15_19.2
NewNet767: D14_19.2 L14_19.2
NewNet768: D13_19.2 L13_19.2
NewNet769: D12_19.2 L12_19.2
NewNet770: D11_19.2 L11_19.2
NewNet771: D10_19.2 L10_19.2
NewNet772: D9_19.2 L9_19.2
NewNet773: D8_19.2 L8_19.2
NewNet774: D7_19.2 L7_19.2
NewNet775: D6_19.2 L6_19.2
NewNet776: D5_19.2 L5_19.2
NewNet777: D4_19.2 L4_19.2
NewNet778: D3_19.2 L3_19.2
NewNet779: D2_19.2 L2_19.2
NewNet780: H6.44 L20_19.1 | length 79.7
  Bottom Layer w0.2: H6.44@746.9,5.168 777.26,5.168 795.001,22.909 795.001,45.308 v1(796.9,45.308)
NewNet781: H6.43 L19_19.1 | length 118.4
  Bottom Layer w0.2: H6.43@746.9,7.708 747,7.808 778.9,7.808 794.501,23.409 794.501,85.308 v1(796.9,85.308)
NewNet782: H6.42 L18_19.1 | length 162.9
  Bottom Layer w0.2: H6.42@744.36,5.168 745.643,6.451 745.643,8.478 747.473,10.308 780.4,10.308 794.001,23.909 794.001,125.308 v1(796.9,125.308)
NewNet783: H6.41 L17_19.1 | length 201.4
  Bottom Layer w0.2: H6.41@744.36,7.708 744.36,9.583 746.506,11.729 780.669,11.729 793.501,24.561 793.501,25.384 793.501,165.308 v1(796.9,165.308)
NewNet784: H6.40 L16_19.1 | length 245.6
  Bottom Layer w0.2: H6.40@741.82,5.168 743.077,6.426 743.077,10.002 746.557,13.482 781.33,13.482 793.001,25.153 793.001,205.308 v1(796.9,205.308)
NewNet785: H5.9 L15_19.1 | length 249.2
  Bottom Layer w0.2: H5.9@736.28,442.908 736.28,442.125 742.515,435.889 783.867,435.889 793.001,426.755 793.001,245.308 v1(796.9,245.308)
NewNet786: H5.8 L14_19.1 | length 211.2
  Bottom Layer w0.2: H5.8@738.82,445.448 737.512,444.14 737.512,442.366 743.354,436.524 784.197,436.524 793.501,427.22 793.501,285.308 v1(796.9,285.308)
NewNet787: H5.7 L13_19.1 | length 167.6
  Bottom Layer w0.2: H5.7@738.82,442.908 738.82,442.252 743.582,437.49 784.984,437.49 794.001,428.473 794.001,325.308 v1(796.9,325.308)
NewNet788: H5.6 L12_19.1 | length 129.9
  Bottom Layer w0.2: H5.6@741.36,445.448 740.128,444.216 740.128,442.138 743.912,438.353 785.365,438.353 794.501,429.217 794.501,365.308 v1(796.9,365.308)
NewNet789: H5.5 L11_19.1 | length 86.3
  Bottom Layer w0.2: H5.5@741.36,442.908 741.36,442.201 744.37,439.191 786.407,439.191 795.001,430.597 795.001,405.308 v1(796.9,405.308)
NewNet790: H6.35 L10_19.1 | length 60.8
  Bottom Layer w0.2: H6.35@736.74,7.708 736.74,11.386 743.204,17.851 759.511,17.851 764.999,23.338 764.999,45.308 v1(763.1,45.308)
NewNet791: H6.36 L9_19.1 | length 103.3
  Bottom Layer w0.2: H6.36@736.74,5.168 738.023,6.451 738.023,10.688 744.347,17.013 759.511,17.013 765.499,23 765.499,85.308 v1(763.1,85.308)
NewNet792: H6.37 L8_19.1 | length 140.4
  Bottom Layer w0.2: H6.37@739.28,7.708 739.28,10.599 744.881,16.2 759.943,16.2 765.999,22.256 765.999,125.308 v1(763.1,125.308)
NewNet793: H6.38 L7_19.1 | length 183.2
  Bottom Layer w0.2: H6.38@739.28,5.168 740.613,6.502 740.613,10.307 745.82,15.514 760.146,15.514 766.499,21.867 766.499,165.308 v1(763.1,165.308)
NewNet794: H6.39 L6_19.1 | length 220.4
  Bottom Layer w0.2: H6.39@741.82,7.708 741.82,10.116 746.1,14.396 760.629,14.396 766.999,20.766 766.999,205.308 v1(763.1,205.308)
NewNet795: H5.10 L5_19.1 | length 228.1
  Bottom Layer w0.2: H5.10@736.28,445.448 734.997,444.165 734.997,442.138 741.982,435.153 759.559,435.153 766.999,427.713 766.999,245.308 v1(763.1,245.308)
NewNet796: H5.11 L4_19.1 | length 185.1
  Bottom Layer w0.2: H5.11@733.74,442.908 733.74,441.973 741.525,434.188 759.457,434.188 766.499,427.146 766.499,285.308 v1(763.1,285.308)
NewNet797: H5.12 L3_19.1 | length 148.3
  Bottom Layer w0.2: H5.12@733.74,445.448 732.508,444.216 732.508,441.731 740.915,433.324 759.406,433.324 765.999,426.732 765.999,325.308 v1(763.1,325.308)
NewNet798: H5.13 L2_19.1 | length 105.3
  Bottom Layer w0.2: H5.13@731.2,442.908 731.2,441.515 739.975,432.74 758.873,432.74 765.499,426.114 765.499,365.308 v1(763.1,365.308)
NewNet799: H5.14 L1_19.1 | length 68.1
  Bottom Layer w0.2: H5.14@731.2,445.448 729.917,444.165 729.917,441.884 739.798,432.003 758.517,432.003 764.999,425.522 764.999,405.308 v1(763.1,405.308)
NewNet800: D1_19.2 L1_19.2

## Polygon pours and split planes (outlines as drawn)
GND on Y1 "GND1" (solid, remove dead copper, pour order 10): -25.095,502.158 -37.033,490.22 -37.033,-49.454 861.06,-49.454 867.054,-43.459 865.048,-41.453 865.048,512.115

## Keep-outs
Keep-Out Layer:
  circle w0.254: c5,445.444 r2.2
  circle w0.254: c5,5 r2.2
  circle w0.254: c795,445.444 r2.2
  circle w0.254: c795,5 r2.2
  lines w0.254: 0,4 ccw(c4,4) 4,0 796,0 ccw(c796,4) 800,4 800,446.444 ccw(c796,446.444) 796,450.444 4,450.444 ccw(c4,446.444) 0,446.444 0,4

## Other copper
Top Layer:
  drawing of 1000 lines, arcs and shapes, not listed

## Silkscreen, mask and mechanical layers (free items; w line width, h text height)
Bottom Overlay:
  text "GND" at 768.858,441.858 h5
  text "GND" at 685.902,3.658 h5
Top Solder:
  drawing of 1000 lines, arcs and shapes, not listed
Mechanical 1:
  drawing of 8190 lines, arcs and shapes, not listed
Mechanical 2:
  drawing of 810 lines, arcs and shapes, not listed
Mechanical 3:
  drawing of 1009 lines, arcs and shapes, not listed

## Text inside footprints (layer, text, board x,y; h text height)
H1: Bottom Overlay "43" at 47.715,442.197 h1.02; Bottom Overlay "44" at 47.715,444.737 h1.02; Bottom Overlay "1" at 112.79,442.4 h1.02; Bottom Overlay "2" at 113.044,444.94 h1.02
H2: Bottom Overlay "43" at 207.715,442.197 h1.02; Bottom Overlay "44" at 207.715,444.737 h1.02; Bottom Overlay "1" at 272.79,442.4 h1.02; Bottom Overlay "2" at 273.044,444.94 h1.02
H3: Bottom Overlay "43" at 367.715,442.197 h1.02; Bottom Overlay "44" at 367.715,444.737 h1.02; Bottom Overlay "1" at 432.79,442.4 h1.02; Bottom Overlay "2" at 433.044,444.94 h1.02
H4: Bottom Overlay "43" at 527.715,442.197 h1.02; Bottom Overlay "44" at 527.715,444.737 h1.02; Bottom Overlay "1" at 592.79,442.4 h1.02; Bottom Overlay "2" at 593.044,444.94 h1.02
H5: Bottom Overlay "43" at 687.715,442.197 h1.02; Bottom Overlay "44" at 687.715,444.737 h1.02; Bottom Overlay "1" at 752.79,442.4 h1.02; Bottom Overlay "2" at 753.044,444.94 h1.02
H6: Bottom Overlay "43" at 752.285,8.419 h1.02 r180; Bottom Overlay "44" at 752.285,5.879 h1.02 r180; Bottom Overlay "1" at 687.21,8.216 h1.02 r180; Bottom Overlay "2" at 686.956,5.676 h1.02 r180
H7: Bottom Overlay "43" at 592.285,8.419 h1.02 r180; Bottom Overlay "44" at 592.285,5.879 h1.02 r180; Bottom Overlay "1" at 527.21,8.216 h1.02 r180; Bottom Overlay "2" at 526.956,5.676 h1.02 r180
H8: Bottom Overlay "43" at 432.285,8.419 h1.02 r180; Bottom Overlay "44" at 432.285,5.879 h1.02 r180; Bottom Overlay "1" at 367.21,8.216 h1.02 r180; Bottom Overlay "2" at 366.956,5.676 h1.02 r180
H9: Bottom Overlay "43" at 272.285,8.419 h1.02 r180; Bottom Overlay "44" at 272.285,5.879 h1.02 r180; Bottom Overlay "1" at 207.21,8.216 h1.02 r180; Bottom Overlay "2" at 206.956,5.676 h1.02 r180
H10: Bottom Overlay "43" at 112.285,8.419 h1.02 r180; Bottom Overlay "44" at 112.285,5.879 h1.02 r180; Bottom Overlay "1" at 47.21,8.216 h1.02 r180; Bottom Overlay "2" at 46.956,5.676 h1.02 r180